# KiCad board 4servoboard-4x4.kicad_pcb (continued)
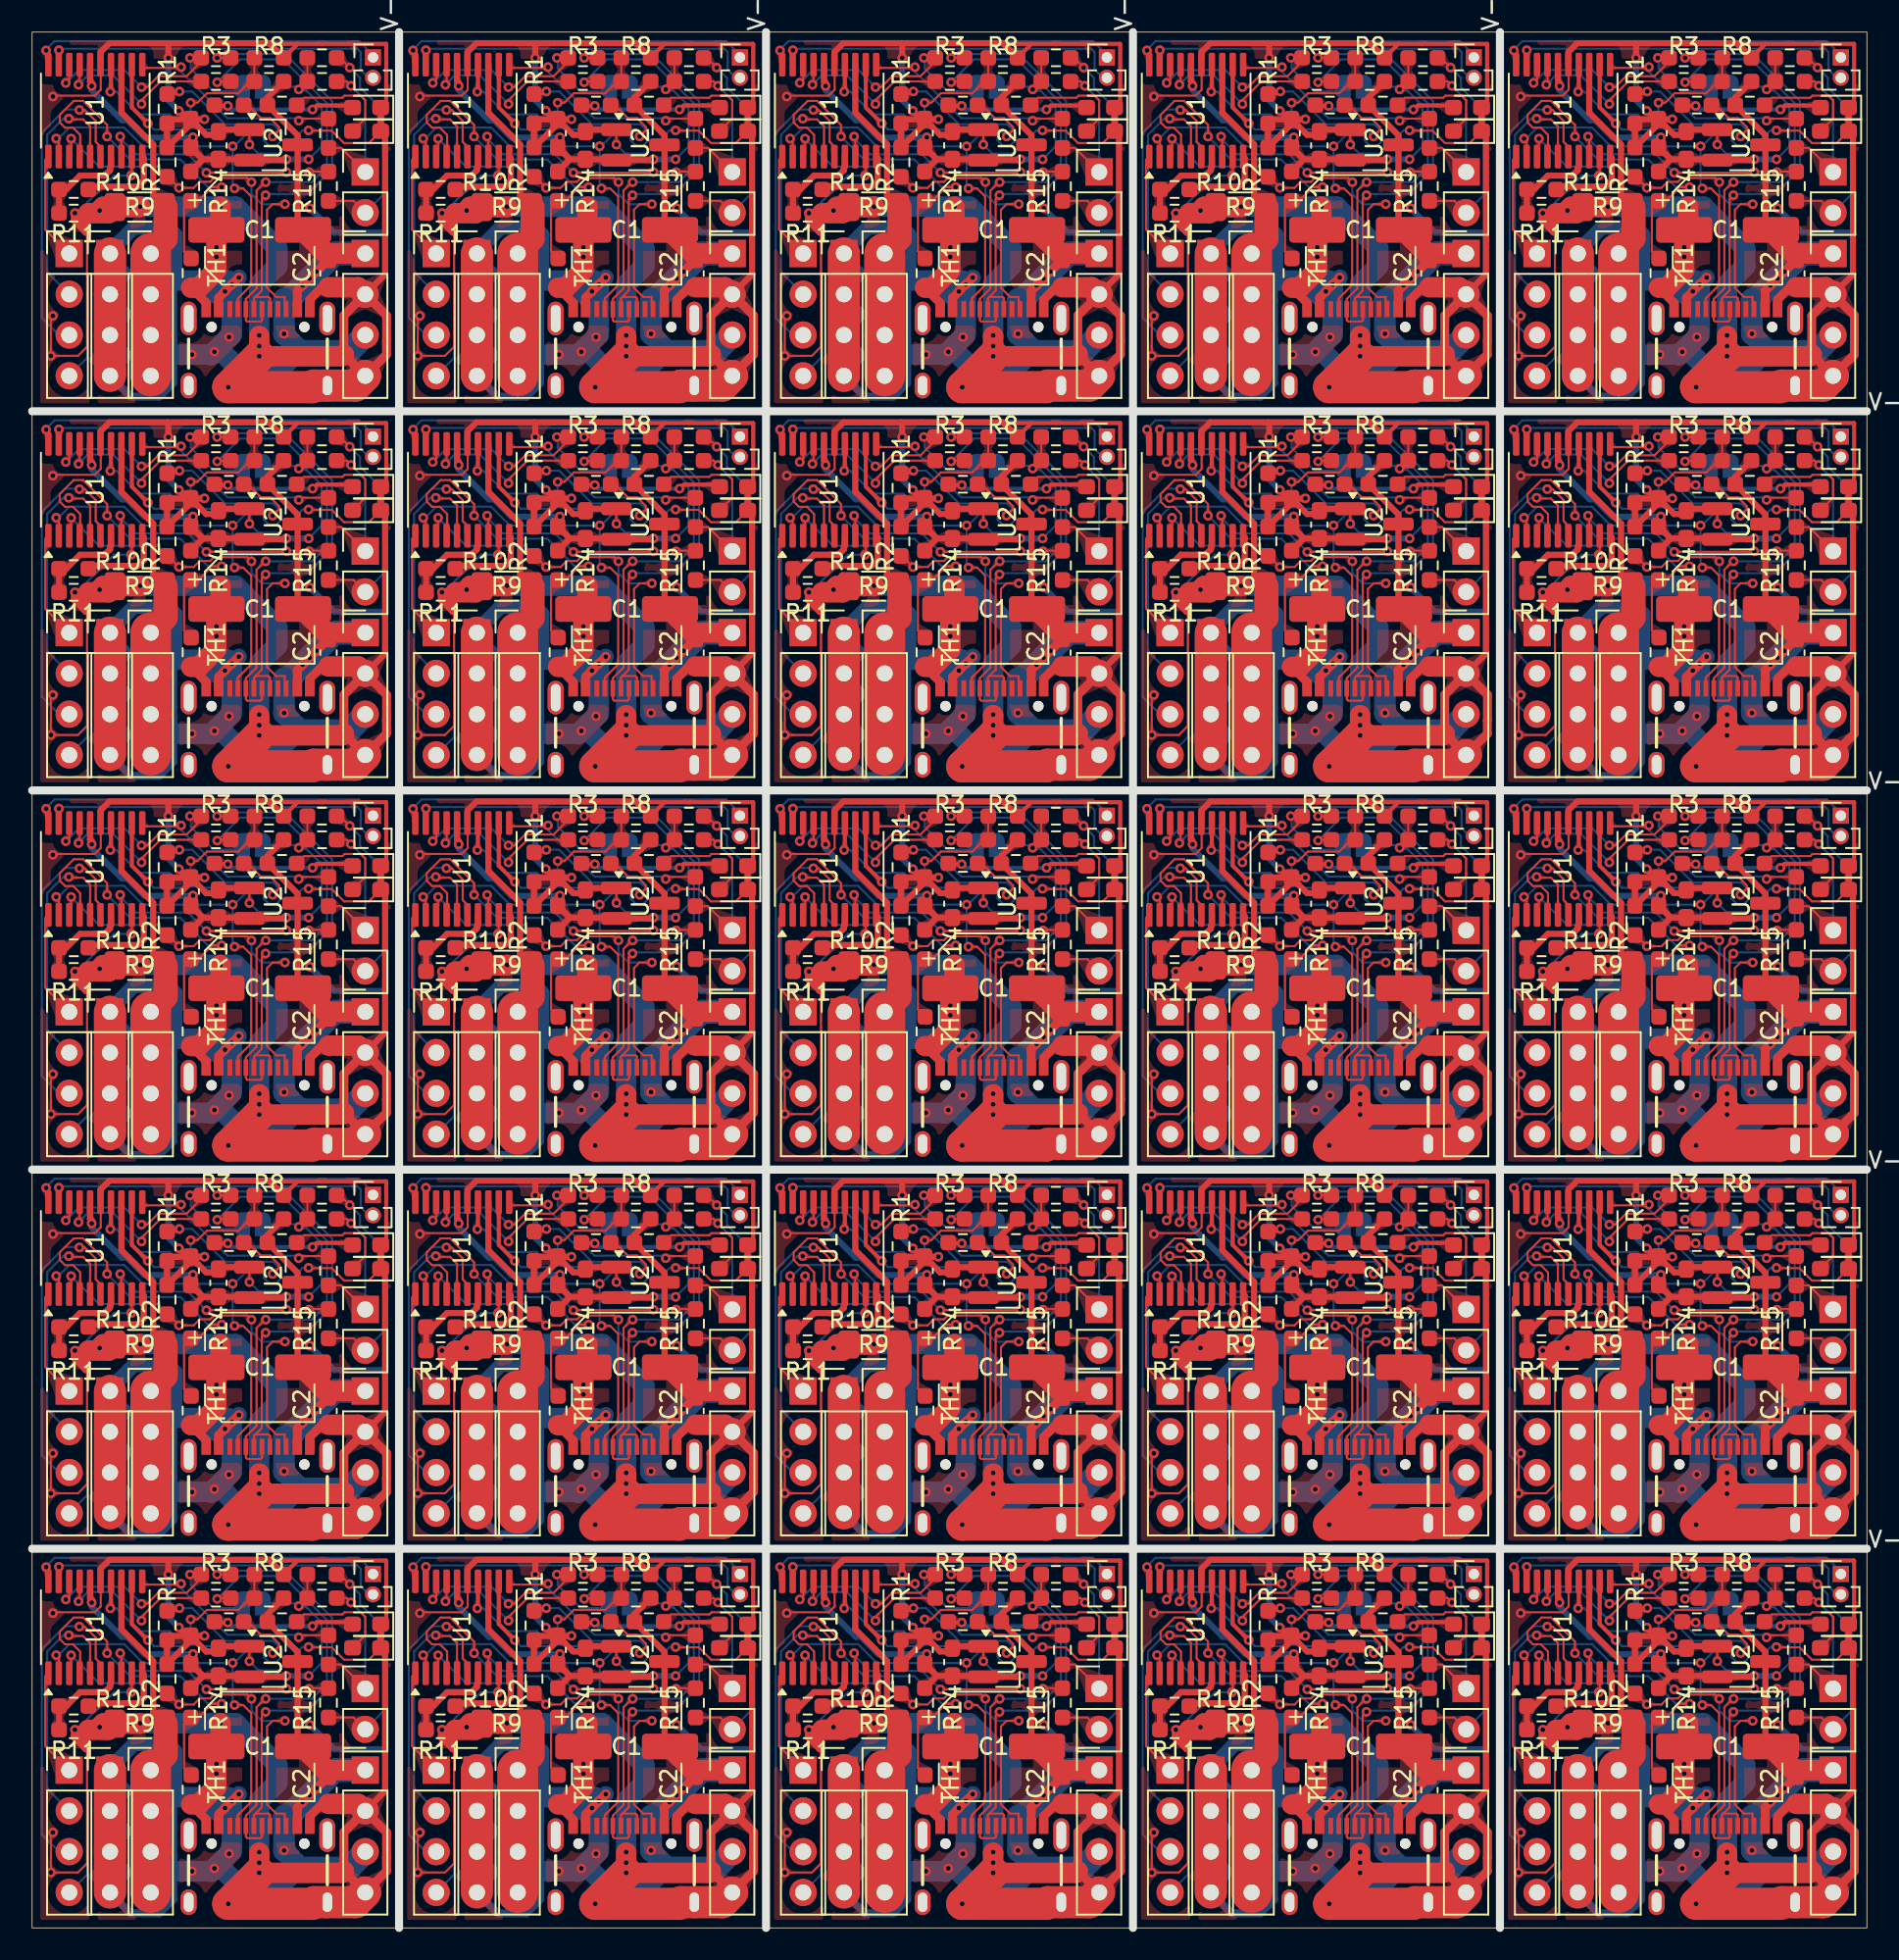
[diagram p0: board, top side]
## Routing (per net, layer and track width the routed paths; a pad name or vN(x,y) marks a point on that pad's centre or on a via; arc(x,y) is an arc through that point) (continued)
Net-(J1-D+-PadA6): length 685.3
  Top w0.127: 13.91,54.36 14.74,54.36 14.82,54.28 J1#19.B6 ; 13.91,54.36 13.82,54.28 J1#19.A6 ; 13.91,54.36 14.31,54.76 14.31,60.47 v1(14.54,60.71) ; 59.63,101.61 60.46,101.61 60.54,101.52 J1#11.B6 ; 59.63,101.61 60.03,102.01 60.03,107.71 v1(60.26,107.95) ; 59.63,101.61 59.54,101.52 J1#11.A6 ; R3#11.1 102.97,45.64 v1(102.97,45.64) ; R3#17.1 34.39,69.27 v1(34.39,69.26) ; 59.63,7.12 60.46,7.12 60.54,7.03 J1#15.B6 ; 59.63,7.12 59.54,7.03 J1#15.A6 ; 59.63,7.12 60.03,7.52 60.03,13.23 v1(60.26,13.46) ; J1#20.B6 60.54,30.66 60.46,30.74 59.63,30.74 ; v1(57.25,45.64) 57.25,45.64 R3#2.1 ; 36.77,101.61 36.68,101.52 J1#13.A6 ; 36.77,101.61 37.6,101.61 37.68,101.52 J1#13.B6 ; 36.77,101.61 37.17,102.01 37.17,107.71 v1(37.4,107.95) ; v1(34.39,92.88) 34.39,92.89 R3#9.1 ; 82.49,54.36 82.4,54.28 J1#3.A6 ; 82.49,54.36 82.89,54.76 82.89,60.47 v1(83.12,60.71) ; 82.49,54.36 83.32,54.36 83.4,54.28 J1#3.B6 ; 105.35,7.12 105.26,7.03 J1#21.A6 ; 105.35,7.12 106.18,7.12 106.26,7.03 J1#21.B6 ; 105.35,7.12 105.75,7.52 105.75,13.23 v1(105.98,13.46) ; R3#20.1 57.25,69.27 v1(57.25,69.26) ; J1#25.A6 105.26,101.52 105.35,101.61 ; 59.63,54.36 59.54,54.28 J1#22.A6 ; 59.63,54.36 60.46,54.36 60.54,54.28 J1#22.B6 ; 59.63,54.36 60.03,54.76 60.03,60.47 v1(60.26,60.71) ; J1#23.A6 105.26,77.9 105.35,77.99 ; 105.35,77.99 106.18,77.99 106.26,77.9 J1#23.B6 ; 105.35,77.99 105.75,78.39 105.75,84.09 v1(105.98,84.33) ; 36.77,7.12 37.17,7.52 37.17,13.23 v1(37.4,13.46) ; 36.77,7.12 37.6,7.12 37.68,7.03 J1#2.B6 ; 36.77,7.12 36.68,7.03 J1#2.A6 ; 13.91,101.61 14.31,102.01 14.31,107.71 v1(14.54,107.95) ; 13.91,101.61 13.82,101.52 J1#8.A6 ; 13.91,101.61 14.74,101.61 14.82,101.52 J1#8.B6 ; R3#7.1 102.97,92.89 v1(102.97,92.88) ; J1#16.B6 14.82,7.03 14.74,7.12 13.91,7.12 ; J1#25.B6 106.26,101.52 106.18,101.61 105.35,101.61 ; v1(80.11,116.51) 80.11,116.51 R3#24.1 ; 59.63,30.74 59.54,30.66 J1#20.A6 ; 59.63,30.74 60.03,31.14 60.03,36.85 v1(60.26,37.08) ; v1(102.97,116.51) 102.97,116.51 R3#14.1 ; J1#24.B6 60.54,77.9 60.46,77.99 59.63,77.99 ; 82.49,101.61 82.89,102.01 82.89,107.71 v1(83.12,107.95) ; 82.49,101.61 82.4,101.52 J1#6.A6 ; 82.49,101.61 83.32,101.61 83.4,101.52 J1#6.B6 ; J1#5.B6 83.4,30.66 83.32,30.74 82.49,30.74 ; 13.91,77.99 14.74,77.99 14.82,77.9 J1#17.B6 ; 13.91,77.99 14.31,78.39 14.31,84.09 v1(14.54,84.33) ; 13.91,77.99 13.82,77.9 J1#17.A6 ; v1(80.11,45.64) 80.11,45.64 R3.1 ; R3#15.1 34.39,45.64 v1(34.39,45.64) ; v1(105.98,37.08) 105.75,36.85 105.75,31.14 105.35,30.74 ; 36.77,30.74 36.68,30.66 J1#9.A6 ; 36.77,30.74 37.6,30.74 37.68,30.66 J1#9.B6 ; 36.77,30.74 37.17,31.14 37.17,36.85 v1(37.4,37.08) ; 105.35,101.61 105.75,102.01 105.75,107.71 v1(105.98,107.95) ; J1#10.B6 106.26,54.28 106.18,54.36 105.35,54.36 ; 13.91,30.74 14.74,30.74 14.82,30.66 J1#7.B6 ; 13.91,30.74 14.31,31.14 14.31,36.85 v1(14.54,37.08) ; 13.91,30.74 13.82,30.66 J1#7.A6 ; 105.35,54.36 105.26,54.28 J1#10.A6 ; 105.35,54.36 105.75,54.76 105.75,60.47 v1(105.98,60.71) ; J1#4.A6 82.4,77.9 82.49,77.99 ; R3#6.1 102.97,22.02 v1(102.97,22.02) ; v1(83.12,37.08) 82.89,36.85 82.89,31.14 82.49,30.74 ; R3#19.1 11.53,92.89 v1(11.53,92.88) ; J1.B6 83.4,7.03 83.32,7.12 82.49,7.12 ; v1(11.53,45.64) 11.53,45.64 R3#25.1 ; 105.35,30.74 105.26,30.66 J1#14.A6 ; 105.35,30.74 106.18,30.74 106.26,30.66 J1#14.B6 ; J1#12.B6 37.68,54.28 37.6,54.36 36.77,54.36 ; 82.49,30.74 82.4,30.66 J1#5.A6 ; J1.A6 82.4,7.03 82.49,7.12 ; J1#24.A6 59.54,77.9 59.63,77.99 ; v1(83.12,84.33) 82.89,84.09 82.89,78.39 82.49,77.99 ; 13.91,7.12 14.31,7.52 14.31,13.23 v1(14.54,13.46) ; 13.91,7.12 13.82,7.03 J1#16.A6 ; v1(11.53,116.51) 11.53,116.51 R3#22.1 ; 36.77,77.99 36.68,77.9 J1#18.A6 ; 36.77,77.99 37.6,77.99 37.68,77.9 J1#18.B6 ; 36.77,77.99 37.17,78.39 37.17,84.09 v1(37.4,84.33) ; 82.49,77.99 83.32,77.99 83.4,77.9 J1#4.B6 ; v1(37.4,60.71) 37.17,60.47 37.17,54.76 36.77,54.36 ; v1(80.11,92.88) 80.11,92.89 R3#12.1 ; v1(60.26,84.33) 60.03,84.09 60.03,78.39 59.63,77.99 ; R3#16.1 34.39,22.02 v1(34.39,22.02) ; 82.49,7.12 82.89,7.52 82.89,13.23 v1(83.12,13.46) ; R3#23.1 57.25,22.02 v1(57.25,22.02) ; R3#8.1 11.53,22.02 v1(11.53,22.02) ; R3#13.1 57.25,92.89 v1(57.25,92.88) ; v1(11.53,69.26) 11.53,69.27 R3#5.1 ; v1(57.25,116.51) 57.25,116.51 R3#4.1 ; R3#3.1 80.11,22.02 v1(80.11,22.02) ; v1(102.97,69.26) 102.97,69.27 R3#21.1 ; v1(34.39,116.51) 34.39,116.51 R3#10.1 ; 36.77,54.36 36.68,54.28 J1#12.A6 ; R3#18.1 80.11,69.27 v1(80.11,69.26)
  Bottom w0.127: v1(80.11,45.64) 80.34,45.87 84.34,45.87 87.27,42.94 87.27,38.7 85.73,37.16 83.19,37.16 v1(83.12,37.08) ; v1(11.53,22.02) 11.76,22.25 15.76,22.25 18.69,19.32 18.69,15.08 17.15,13.53 14.61,13.53 v1(14.54,13.46) ; v1(34.39,92.88) 34.62,93.12 38.62,93.12 41.55,90.19 41.55,85.94 40.01,84.4 37.47,84.4 v1(37.4,84.33) ; v1(60.26,84.33) 60.33,84.4 62.87,84.4 64.41,85.94 64.41,90.19 61.48,93.12 57.48,93.12 v1(57.25,92.88) ; v1(14.54,84.33) 14.61,84.4 17.15,84.4 18.69,85.94 18.69,90.19 15.76,93.12 11.76,93.12 v1(11.53,92.88) ; v1(83.12,84.33) 83.19,84.4 85.73,84.4 87.27,85.94 87.27,90.19 84.34,93.12 80.34,93.12 v1(80.11,92.88) ; v1(83.12,107.95) 83.19,108.02 85.73,108.02 87.27,109.57 87.27,113.81 84.34,116.74 80.34,116.74 v1(80.11,116.51) ; v1(102.97,92.88) 103.2,93.12 107.2,93.12 110.13,90.19 110.13,85.94 108.59,84.4 106.05,84.4 v1(105.98,84.33) ; v1(11.53,69.26) 11.76,69.5 15.76,69.5 18.69,66.57 18.69,62.32 17.15,60.78 14.61,60.78 v1(14.54,60.71) ; v1(37.4,107.95) 37.47,108.02 40.01,108.02 41.55,109.57 41.55,113.81 38.62,116.74 34.62,116.74 v1(34.39,116.51) ; v1(83.12,13.46) 83.19,13.53 85.73,13.53 87.27,15.08 87.27,19.32 84.34,22.25 80.34,22.25 v1(80.11,22.02) ; v1(102.97,116.51) 103.2,116.74 107.2,116.74 110.13,113.81 110.13,109.57 108.59,108.02 106.05,108.02 v1(105.98,107.95) ; v1(57.25,22.02) 57.48,22.25 61.48,22.25 64.41,19.32 64.41,15.08 62.87,13.53 60.33,13.53 v1(60.26,13.46) ; v1(14.54,37.08) 14.61,37.16 17.15,37.16 18.69,38.7 18.69,42.94 15.76,45.87 11.76,45.87 v1(11.53,45.64) ; v1(105.98,13.46) 106.05,13.53 108.59,13.53 110.13,15.08 110.13,19.32 107.2,22.25 103.2,22.25 v1(102.97,22.02) ; v1(105.98,37.08) 106.05,37.16 108.59,37.16 110.13,38.7 110.13,42.94 107.2,45.87 103.2,45.87 v1(102.97,45.64) ; v1(37.4,60.71) 37.47,60.78 40.01,60.78 41.55,62.32 41.55,66.57 38.62,69.5 34.62,69.5 v1(34.39,69.26) ; v1(60.26,107.95) 60.33,108.02 62.87,108.02 64.41,109.57 64.41,113.81 61.48,116.74 57.48,116.74 v1(57.25,116.51) ; v1(60.26,37.08) 60.33,37.16 62.87,37.16 64.41,38.7 64.41,42.94 61.48,45.87 57.48,45.87 v1(57.25,45.64) ; v1(11.53,116.51) 11.76,116.74 15.76,116.74 18.69,113.81 18.69,109.57 17.15,108.02 14.61,108.02 v1(14.54,107.95) ; v1(80.11,69.26) 80.34,69.5 84.34,69.5 87.27,66.57 87.27,62.32 85.73,60.78 83.19,60.78 v1(83.12,60.71) ; v1(34.39,45.64) 34.62,45.87 38.62,45.87 41.55,42.94 41.55,38.7 40.01,37.16 37.47,37.16 v1(37.4,37.08) ; v1(57.25,69.26) 57.48,69.5 61.48,69.5 64.41,66.57 64.41,62.32 62.87,60.78 60.33,60.78 v1(60.26,60.71) ; v1(102.97,69.26) 103.2,69.5 107.2,69.5 110.13,66.57 110.13,62.32 108.59,60.78 106.05,60.78 v1(105.98,60.71) ; v1(34.39,22.02) 34.62,22.25 38.62,22.25 41.55,19.32 41.55,15.08 40.01,13.53 37.47,13.53 v1(37.4,13.46)
Net-(J1-D--PadA7): length 711.8
  Top w0.127: v1(57.25,91.36) 57.3,91.41 R4#15.1 ; v1(102.97,114.99) 103.02,115.04 R4#6.1 ; J1.A7 82.9,5.68 82.82,5.59 81.99,5.59 81.9,5.68 J1.B7 81.9,7 82.56,7.66 82.56,13.75 83.08,14.27 v1(83.13,14.27) ; v1(60.27,61.52) 60.22,61.52 59.7,60.99 59.7,54.9 59.04,54.24 J1#22.B7 59.04,52.92 59.13,52.84 59.96,52.84 60.04,52.92 J1#22.A7 ; v1(80.11,44.12) 80.16,44.17 R4#25.1 ; J1#16.A7 14.32,5.68 14.24,5.59 13.41,5.59 13.32,5.68 J1#16.B7 13.32,7 13.98,7.66 13.98,13.75 14.5,14.27 v1(14.55,14.27) ; v1(37.41,108.76) 37.36,108.76 36.84,108.24 36.84,102.14 36.18,101.49 J1#13.B7 36.18,100.16 36.27,100.08 37.1,100.08 37.18,100.16 J1#13.A7 ; R4#14.1 34.44,20.55 v1(34.39,20.5) ; J1#14.A7 105.76,29.3 105.68,29.21 104.85,29.21 104.76,29.3 J1#14.B7 104.76,30.62 105.42,31.28 105.42,37.37 105.94,37.9 v1(105.99,37.9) ; v1(57.25,114.99) 57.3,115.04 R4#2.1 ; J1#12.A7 37.18,52.92 37.1,52.84 36.27,52.84 36.18,52.92 J1#12.B7 36.18,54.24 36.84,54.9 36.84,60.99 37.36,61.52 v1(37.41,61.52) ; v1(37.41,14.27) 37.36,14.27 36.84,13.75 36.84,7.66 36.18,7 J1#2.B7 36.18,5.68 36.27,5.59 37.1,5.59 37.18,5.68 J1#2.A7 ; J1#9.A7 37.18,29.3 37.1,29.21 36.27,29.21 36.18,29.3 J1#9.B7 36.18,30.62 36.84,31.28 36.84,37.37 37.36,37.9 v1(37.41,37.9) ; v1(105.99,14.27) 105.94,14.27 105.42,13.75 105.42,7.66 104.76,7 J1#21.B7 104.76,5.68 104.85,5.59 105.68,5.59 105.76,5.68 J1#21.A7 ; J1#19.A7 14.32,52.92 14.24,52.84 13.41,52.84 13.32,52.92 J1#19.B7 13.32,54.24 13.98,54.9 13.98,60.99 14.5,61.52 v1(14.55,61.52) ; v1(11.53,67.74) 11.58,67.79 R4#3.1 ; v1(14.55,37.9) 14.5,37.9 13.98,37.37 13.98,31.28 13.32,30.62 J1#7.B7 13.32,29.3 13.41,29.21 14.24,29.21 14.32,29.3 J1#7.A7 ; R4#21.1 57.3,44.17 v1(57.25,44.12) ; J1#24.A7 60.04,76.54 59.96,76.46 59.13,76.46 59.04,76.54 J1#24.B7 59.04,77.86 59.7,78.52 59.7,84.62 60.22,85.14 v1(60.27,85.14) ; v1(80.11,20.5) 80.16,20.55 R4#24.1 ; v1(34.39,44.12) 34.44,44.17 R4#5.1 ; v1(83.13,108.76) 83.08,108.76 82.56,108.24 82.56,102.14 81.9,101.49 J1#6.B7 81.9,100.16 81.99,100.08 82.82,100.08 82.9,100.16 J1#6.A7 ; v1(37.41,85.14) 37.36,85.14 36.84,84.62 36.84,78.52 36.18,77.86 J1#18.B7 36.18,76.54 36.27,76.46 37.1,76.46 37.18,76.54 J1#18.A7 ; v1(60.27,37.9) 60.22,37.9 59.7,37.37 59.7,31.28 59.04,30.62 J1#20.B7 59.04,29.3 59.13,29.21 59.96,29.21 60.04,29.3 J1#20.A7 ; R4#16.1 57.3,20.55 v1(57.25,20.5) ; v1(57.25,67.74) 57.3,67.79 R4#11.1 ; R4#23.1 34.44,91.41 v1(34.39,91.36) ; v1(11.53,114.99) 11.58,115.04 R4#18.1 ; J1#17.A7 14.32,76.54 14.24,76.46 13.41,76.46 13.32,76.54 J1#17.B7 13.32,77.86 13.98,78.52 13.98,84.62 14.5,85.14 v1(14.55,85.14) ; v1(102.97,67.74) 103.02,67.79 R4#17.1 ; v1(102.97,44.12) 103.02,44.17 R4#19.1 ; J1#11.A7 60.04,100.16 59.96,100.08 59.13,100.08 59.04,100.16 J1#11.B7 59.04,101.49 59.7,102.14 59.7,108.24 60.22,108.76 v1(60.27,108.76) ; J1#4.A7 82.9,76.54 82.82,76.46 81.99,76.46 81.9,76.54 J1#4.B7 81.9,77.86 82.56,78.52 82.56,84.62 83.08,85.14 v1(83.13,85.14) ; R4#9.1 11.58,44.17 v1(11.53,44.12) ; J1#3.A7 82.9,52.92 82.82,52.84 81.99,52.84 81.9,52.92 J1#3.B7 81.9,54.24 82.56,54.9 82.56,60.99 83.08,61.52 v1(83.13,61.52) ; J1#15.A7 60.04,5.68 59.96,5.59 59.13,5.59 59.04,5.68 J1#15.B7 59.04,7 59.7,7.66 59.7,13.75 60.22,14.27 v1(60.27,14.27) ; J1#5.A7 82.9,29.3 82.82,29.21 81.99,29.21 81.9,29.3 J1#5.B7 81.9,30.62 82.56,31.28 82.56,37.37 83.08,37.9 v1(83.13,37.9) ; J1#8.A7 14.32,100.16 14.24,100.08 13.41,100.08 13.32,100.16 J1#8.B7 13.32,101.49 13.98,102.14 13.98,108.24 14.5,108.76 v1(14.55,108.76) ; R4#13.1 34.44,67.79 v1(34.39,67.74) ; v1(34.39,114.99) 34.44,115.04 R4.1 ; v1(105.99,85.14) 105.94,85.14 105.42,84.62 105.42,78.52 104.76,77.86 J1#23.B7 104.76,76.54 104.85,76.46 105.68,76.46 105.76,76.54 J1#23.A7 ; v1(11.53,20.5) 11.58,20.55 R4#12.1 ; v1(80.11,114.99) 80.16,115.04 R4#22.1 ; R4#10.1 103.02,20.55 v1(102.97,20.5) ; R4#8.1 103.02,91.41 v1(102.97,91.36) ; R4#4.1 80.16,91.41 v1(80.11,91.36) ; J1#25.A7 105.76,100.16 105.68,100.08 104.85,100.08 104.76,100.16 J1#25.B7 104.76,101.49 105.42,102.14 105.42,108.24 105.94,108.76 v1(105.99,108.76) ; R4#7.1 80.16,67.79 v1(80.11,67.74) ; R4#20.1 11.58,91.41 v1(11.53,91.36) ; v1(105.99,61.52) 105.94,61.52 105.42,60.99 105.42,54.9 104.76,54.24 J1#10.B7 104.76,52.92 104.85,52.84 105.68,52.84 105.76,52.92 J1#10.A7
  Bottom w0.127: v1(102.97,44.12) 104.4,45.55 107.07,45.55 109.8,42.81 109.8,38.84 108.87,37.9 v1(105.99,37.9) ; v1(83.13,37.9) 86.01,37.9 86.94,38.84 86.94,42.81 84.21,45.55 81.54,45.55 v1(80.11,44.12) ; v1(80.11,20.5) 81.54,21.92 84.21,21.92 86.94,19.19 86.94,15.21 86.01,14.27 v1(83.13,14.27) ; v1(102.97,20.5) 104.4,21.92 107.07,21.92 109.8,19.19 109.8,15.21 108.87,14.27 v1(105.99,14.27) ; v1(11.53,114.99) 12.96,116.41 15.63,116.41 18.36,113.67 18.36,109.7 17.43,108.76 v1(14.55,108.76) ; v1(102.97,114.99) 104.4,116.41 107.07,116.41 109.8,113.67 109.8,109.7 108.87,108.76 v1(105.99,108.76) ; v1(57.25,114.99) 58.68,116.41 61.35,116.41 64.08,113.67 64.08,109.7 63.15,108.76 v1(60.27,108.76) ; v1(37.41,37.9) 40.29,37.9 41.22,38.84 41.22,42.81 38.49,45.55 35.82,45.55 v1(34.39,44.12) ; v1(57.25,67.74) 58.68,69.17 61.35,69.17 64.08,66.43 64.08,62.46 63.15,61.52 v1(60.27,61.52) ; v1(37.41,85.14) 40.29,85.14 41.22,86.08 41.22,90.05 38.49,92.79 35.82,92.79 v1(34.39,91.36) ; v1(57.25,20.5) 58.68,21.92 61.35,21.92 64.08,19.19 64.08,15.21 63.15,14.27 v1(60.27,14.27) ; v1(60.27,37.9) 63.15,37.9 64.08,38.84 64.08,42.81 61.35,45.55 58.68,45.55 v1(57.25,44.12) ; v1(83.13,85.14) 86.01,85.14 86.94,86.08 86.94,90.05 84.21,92.79 81.54,92.79 v1(80.11,91.36) ; v1(102.97,67.74) 104.4,69.17 107.07,69.17 109.8,66.43 109.8,62.46 108.87,61.52 v1(105.99,61.52) ; v1(34.39,67.74) 35.82,69.17 38.49,69.17 41.22,66.43 41.22,62.46 40.29,61.52 v1(37.41,61.52) ; v1(11.53,67.74) 12.96,69.17 15.63,69.17 18.36,66.43 18.36,62.46 17.43,61.52 v1(14.55,61.52) ; v1(37.41,108.76) 40.29,108.76 41.22,109.7 41.22,113.67 38.49,116.41 35.82,116.41 v1(34.39,114.99) ; v1(34.39,20.5) 35.82,21.92 38.49,21.92 41.22,19.19 41.22,15.21 40.29,14.27 v1(37.41,14.27) ; v1(80.11,114.99) 81.54,116.41 84.21,116.41 86.94,113.67 86.94,109.7 86.01,108.76 v1(83.13,108.76) ; v1(57.25,91.36) 58.68,92.79 61.35,92.79 64.08,90.05 64.08,86.08 63.15,85.14 v1(60.27,85.14) ; v1(11.53,44.12) 12.96,45.55 15.63,45.55 18.36,42.81 18.36,38.84 17.43,37.9 v1(14.55,37.9) ; v1(14.55,14.27) 17.43,14.27 18.36,15.21 18.36,19.19 15.63,21.92 12.96,21.92 v1(11.53,20.5) ; v1(11.53,91.36) 12.96,92.79 15.63,92.79 18.36,90.05 18.36,86.08 17.43,85.14 v1(14.55,85.14) ; v1(105.99,85.14) 108.87,85.14 109.8,86.08 109.8,90.05 107.07,92.79 104.4,92.79 v1(102.97,91.36) ; v1(83.13,61.52) 86.01,61.52 86.94,62.46 86.94,66.43 84.21,69.17 81.54,69.17 v1(80.11,67.74)
Net-(J3-Pin_1): length 253.8
  Top w0.127: 43.61,62.66 J3#14.1 42.11,63.65 R16#12.1 ; 43.61,39.04 J3#23.1 42.11,40.03 R16#9.1 ; 112.19,109.91 J3#2.1 110.69,110.9 R16#24.1 ; R12#4.2 88.17,44.17 v1(88.44,43.9) ; v1(88.44,114.76) 88.17,115.04 R12#11.2 ; R16#25.1 64.97,40.03 J3#10.1 66.47,39.04 ; 89.33,86.29 J3#5.1 87.83,87.27 R16.1 ; v1(42.72,91.14) 42.45,91.41 R12#3.2 ; v1(65.58,67.52) 65.31,67.79 R12#20.2 ; 112.19,15.42 J3#24.1 110.69,16.41 R16#7.1 ; R16#19.1 64.97,16.41 J3#21.1 66.47,15.42 ; v1(42.72,67.52) 42.45,67.79 R12#10.2 ; R12#12.2 88.17,91.41 v1(88.44,91.14) ; v1(111.3,20.27) 111.03,20.55 R12#17.2 ; R16#23.1 42.11,87.27 J3#11.1 43.61,86.29 ; R12#22.2 88.17,67.79 v1(88.44,67.52) ; R16#10.1 42.11,110.9 J3.1 43.61,109.91 ; R12#8.2 42.45,115.04 v1(42.72,114.76) ; R12.2 42.45,44.17 v1(42.72,43.9) ; R16#8.1 19.25,110.9 J3#3.1 20.75,109.91 ; R16#2.1 87.83,110.9 J3#20.1 89.33,109.91 ; v1(65.58,91.14) 65.31,91.41 R12#25.2 ; R16#4.1 19.25,40.03 J3#4.1 20.75,39.04 ; R16#5.1 19.25,63.65 J3#22.1 20.75,62.66 ; 89.33,62.66 J3#15.1 87.83,63.65 R16#20.1 ; R12#23.2 88.17,20.55 v1(88.44,20.27) ; v1(65.58,114.76) 65.31,115.04 R12#21.2 ; 43.61,15.42 J3#19.1 42.11,16.41 R16#18.1 ; 20.75,15.42 J3#9.1 19.25,16.41 R16#6.1 ; v1(65.58,20.27) 65.31,20.55 R12#15.2 ; 112.19,86.29 J3#12.1 110.69,87.27 R16#16.1 ; v1(19.86,91.14) 19.59,91.41 R12#19.2 ; R12#24.2 19.59,67.79 v1(19.86,67.52) ; R16#11.1 19.25,87.27 J3#18.1 20.75,86.29 ; v1(19.86,114.76) 19.59,115.04 R12#6.2 ; v1(111.3,67.52) 111.03,67.79 R12#13.2 ; R12#2.2 65.31,44.17 v1(65.58,43.9) ; R12#9.2 111.03,44.17 v1(111.3,43.9) ; 89.33,15.42 J3#6.1 87.83,16.41 R16#3.1 ; R12#18.2 111.03,115.04 v1(111.3,114.76) ; R16#21.1 64.97,87.27 J3#13.1 66.47,86.29 ; R12#7.2 19.59,20.55 v1(19.86,20.27) ; R16#13.1 110.69,40.03 J3#25.1 112.19,39.04 ; R12#5.2 111.03,91.41 v1(111.3,91.14) ; v1(19.86,43.9) 19.59,44.17 R12#14.2 ; R16#15.1 64.97,63.65 J3#8.1 66.47,62.66 ; R12#16.2 42.45,20.55 v1(42.72,20.27) ; 66.47,109.91 J3#7.1 64.97,110.9 R16#14.1 ; 112.19,62.66 J3#16.1 110.69,63.65 R16#22.1 ; R16#17.1 87.83,40.03 J3#17.1 89.33,39.04
  Bottom w0.127: J3#10.1 66.47,43.01 v1(65.58,43.9) ; J3#3.1 20.75,113.87 v1(19.86,114.76) ; v1(42.72,20.27) 43.61,19.38 J3#19.1 ; J3#5.1 89.33,90.25 v1(88.44,91.14) ; J3#4.1 20.75,43.01 v1(19.86,43.9) ; J3#22.1 20.75,66.63 v1(19.86,67.52) ; J3#8.1 66.47,66.63 v1(65.58,67.52) ; J3#12.1 112.19,90.25 v1(111.3,91.14) ; v1(65.58,20.27) 66.47,19.38 J3#21.1 ; v1(19.86,91.14) 20.75,90.25 J3#18.1 ; J3#2.1 112.19,113.87 v1(111.3,114.76) ; J3#13.1 66.47,90.25 v1(65.58,91.14) ; J3#24.1 112.19,19.38 v1(111.3,20.27) ; J3#6.1 89.33,19.38 v1(88.44,20.27) ; J3#9.1 20.75,19.38 v1(19.86,20.27) ; v1(42.72,67.52) 43.61,66.63 J3#14.1 ; v1(42.72,91.14) 43.61,90.25 J3#11.1 ; J3#20.1 89.33,113.87 v1(88.44,114.76) ; J3#15.1 89.33,66.63 v1(88.44,67.52) ; J3#25.1 112.19,43.01 v1(111.3,43.9) ; v1(42.72,114.76) 43.61,113.87 J3.1 ; J3#23.1 43.61,43.01 v1(42.72,43.9) ; J3#7.1 66.47,113.87 v1(65.58,114.76) ; v1(111.3,67.52) 112.19,66.63 J3#16.1 ; J3#17.1 89.33,43.01 v1(88.44,43.9)
Net-(J3-Pin_2): length 350.7
  Top w0.127: R13#22.2 19.18,116.51 v1(19.79,115.9) ; R15#19.1 20.01,60.35 J3#22.2 ; R13#3.2 87.76,92.89 v1(88.37,92.28) ; v1(42.65,68.66) 42.04,69.27 R13#5.2 ; v1(19.79,21.41) 19.18,22.02 R13#7.2 ; v1(111.23,45.03) 110.62,45.64 R13#4.2 ; J3#5.2 88.59,83.98 R15#4.1 ; R15#23.1 20.01,107.6 J3#3.2 ; R13#21.2 42.04,22.02 v1(42.65,21.41) ; R13#16.2 64.9,69.27 v1(65.51,68.66) ; v1(111.23,115.9) 110.62,116.51 R13#12.2 ; R15#2.1 88.59,36.73 J3#17.2 ; R13#8.2 110.62,92.89 v1(111.23,92.28) ; R15#12.1 42.87,107.6 J3.2 ; v1(111.23,21.41) 110.62,22.02 R13.2 ; R13#13.2 64.9,116.51 v1(65.51,115.9) ; R15#25.1 111.45,36.73 J3#25.2 ; v1(42.65,45.03) 42.04,45.64 R13#9.2 ; J3#14.2 42.87,60.35 R15#14.1 ; R15#21.1 88.59,13.11 J3#6.2 ; R15#22.1 20.01,13.11 J3#9.2 ; R15#5.1 65.73,36.73 J3#10.2 ; v1(19.79,45.03) 19.18,45.64 R13#25.2 ; R13#23.2 64.9,22.02 v1(65.51,21.41) ; J3#8.2 65.73,60.35 R15#10.1 ; R15#20.1 65.73,107.6 J3#7.2 ; J3#20.2 88.59,107.6 R15.1 ; J3#23.2 42.87,36.73 R15#6.1 ; R15#16.1 111.45,13.11 J3#24.2 ; R13#20.2 87.76,69.27 v1(88.37,68.66) ; R13#24.2 19.18,69.27 v1(19.79,68.66) ; J3#19.2 42.87,13.11 R15#15.1 ; v1(65.51,92.28) 64.9,92.89 R13#2.2 ; R15#11.1 65.73,13.11 J3#21.2 ; R13#6.2 87.76,45.64 v1(88.37,45.03) ; R13#15.2 110.62,69.27 v1(111.23,68.66) ; R15#18.1 65.73,83.98 J3#13.2 ; R13#18.2 64.9,45.64 v1(65.51,45.03) ; R13#10.2 87.76,22.02 v1(88.37,21.41) ; J3#4.2 20.01,36.73 R15#8.1 ; R13#14.2 19.18,92.89 v1(19.79,92.28) ; R15#17.1 20.01,83.98 J3#18.2 ; v1(42.65,115.9) 42.04,116.51 R13#11.2 ; J3#12.2 111.45,83.98 R15#24.1 ; R15#3.1 111.45,60.35 J3#16.2 ; J3#11.2 42.87,83.98 R15#9.1 ; R15#7.1 88.59,60.35 J3#15.2 ; R13#17.2 42.04,92.89 v1(42.65,92.28) ; v1(88.37,115.9) 87.76,116.51 R13#19.2 ; J3#2.2 111.45,107.6 R15#13.1
  Bottom w0.127: v1(65.51,68.66) 66.15,68.02 66.15,67.42 67.59,65.98 67.59,60.73 J3#8.2 ; v1(111.23,45.03) 111.87,44.39 111.87,43.8 113.31,42.36 113.31,37.11 J3#25.2 ; v1(88.37,68.66) 89.01,68.02 89.01,67.42 90.45,65.98 90.45,60.73 J3#15.2 ; J3#14.2 44.73,60.73 44.73,65.98 43.29,67.42 43.29,68.02 v1(42.65,68.66) ; v1(111.23,92.28) 111.87,91.64 111.87,91.04 113.31,89.6 113.31,84.35 J3#12.2 ; J3#7.2 67.59,107.97 67.59,113.22 66.15,114.66 66.15,115.26 v1(65.51,115.9) ; v1(42.65,45.03) 43.29,44.39 43.29,43.8 44.73,42.36 44.73,37.11 J3#23.2 ; J3#6.2 90.45,13.48 90.45,18.73 89.01,20.17 89.01,20.77 v1(88.37,21.41) ; v1(19.79,115.9) 20.43,115.26 20.43,114.66 21.87,113.22 21.87,107.97 J3#3.2 ; v1(65.51,45.03) 66.15,44.39 66.15,43.8 67.59,42.36 67.59,37.11 J3#10.2 ; v1(42.65,21.41) 43.29,20.77 43.29,20.17 44.73,18.73 44.73,13.48 J3#19.2 ; J3#4.2 21.87,37.11 21.87,42.36 20.43,43.8 20.43,44.39 v1(19.79,45.03) ; v1(88.37,92.28) 89.01,91.64 89.01,91.04 90.45,89.6 90.45,84.35 J3#5.2 ; J3#18.2 21.87,84.35 21.87,89.6 20.43,91.04 20.43,91.64 v1(19.79,92.28) ; v1(65.51,21.41) 66.15,20.77 66.15,20.17 67.59,18.73 67.59,13.48 J3#21.2 ; v1(42.65,115.9) 43.29,115.26 43.29,114.66 44.73,113.22 44.73,107.97 J3.2 ; v1(65.51,92.28) 66.15,91.64 66.15,91.04 67.59,89.6 67.59,84.35 J3#13.2 ; v1(111.23,68.66) 111.87,68.02 111.87,67.42 113.31,65.98 113.31,60.73 J3#16.2 ; v1(19.79,21.41) 20.43,20.77 20.43,20.17 21.87,18.73 21.87,13.48 J3#9.2 ; J3#22.2 21.87,60.73 21.87,65.98 20.43,67.42 20.43,68.02 v1(19.79,68.66) ; J3#24.2 113.31,13.48 113.31,18.73 111.87,20.17 111.87,20.77 v1(111.23,21.41) ; J3#17.2 90.45,37.11 90.45,42.36 89.01,43.8 89.01,44.39 v1(88.37,45.03) ; J3#20.2 90.45,107.97 90.45,113.22 89.01,114.66 89.01,115.26 v1(88.37,115.9) ; J3#11.2 44.73,84.35 44.73,89.6 43.29,91.04 43.29,91.64 v1(42.65,92.28) ; v1(111.23,115.9) 111.87,115.26 111.87,114.66 113.31,113.22 113.31,107.97 J3#2.2

## Copper pours and planes (outline as drawn; the poured copper is in the pictures)
GND on Top: 3.58,94.49 0,94.49 0,118.11 22.86,118.11 22.89,110.67 20.75,110.78 20.84,114.14 16.41,114.3 14.76,115.77 13.92,113.56 14.71,102.13 9.91,101.45 9.17,101.43 9.16,106.08 3.47,105.7
GND on Top: 95.02,70.87 91.44,70.87 91.44,94.49 114.3,94.49 114.33,87.05 112.19,87.16 112.28,90.52 107.85,90.68 106.2,92.14 105.36,89.94 106.15,78.51 101.35,77.82 100.61,77.81 100.59,82.46 94.91,82.08
GND on Top: 49.3,47.24 45.72,47.24 45.72,70.87 68.58,70.87 68.61,63.42 66.47,63.53 66.56,66.9 62.13,67.06 60.48,68.52 59.64,66.32 60.43,54.89 55.63,54.2 54.89,54.19 54.88,58.84 49.19,58.45
GND on Top: 26.44,23.62 22.86,23.62 22.86,47.24 45.72,47.24 45.75,39.8 43.61,39.91 43.7,43.28 39.27,43.43 37.62,44.9 36.78,42.7 37.57,31.27 32.77,30.58 32.03,30.57 32.02,35.22 26.33,34.83
GND on Top: 26.44,70.87 22.86,70.87 22.86,94.49 45.72,94.49 45.75,87.05 43.61,87.16 43.7,90.52 39.27,90.68 37.62,92.14 36.78,89.94 37.57,78.51 32.77,77.82 32.03,77.81 32.02,82.46 26.33,82.08
GND on Top: 72.16,23.62 68.58,23.62 68.58,47.24 91.44,47.24 91.47,39.8 89.33,39.91 89.42,43.28 84.99,43.43 83.34,44.9 82.5,42.7 83.29,31.27 78.49,30.58 77.75,30.57 77.74,35.22 72.05,34.83
GND on Top: 3.58,47.24 0,47.24 0,70.87 22.86,70.87 22.89,63.42 20.75,63.53 20.84,66.9 16.41,67.06 14.76,68.52 13.92,66.32 14.71,54.89 9.91,54.2 9.17,54.19 9.16,58.84 3.47,58.45
GND on Top: 49.3,0 45.72,0 45.72,23.62 68.58,23.62 68.61,16.18 66.47,16.29 66.56,19.65 62.13,19.81 60.48,21.28 59.64,19.08 60.43,7.65 55.63,6.96 54.89,6.95 54.88,11.6 49.19,11.21
GND on Top: 26.44,0 22.86,0 22.86,23.62 45.72,23.62 45.75,16.18 43.61,16.29 43.7,19.65 39.27,19.81 37.62,21.28 36.78,19.08 37.57,7.65 32.77,6.96 32.03,6.95 32.02,11.6 26.33,11.21
GND on Top: 49.3,70.87 45.72,70.87 45.72,94.49 68.58,94.49 68.61,87.05 66.47,87.16 66.56,90.52 62.13,90.68 60.48,92.14 59.64,89.94 60.43,78.51 55.63,77.82 54.89,77.81 54.88,82.46 49.19,82.08
GND on Top: 72.16,0 68.58,0 68.58,23.62 91.44,23.62 91.47,16.18 89.33,16.29 89.42,19.65 84.99,19.81 83.34,21.28 82.5,19.08 83.29,7.65 78.49,6.96 77.75,6.95 77.74,11.6 72.05,11.21
GND on Top: 26.44,94.49 22.86,94.49 22.86,118.11 45.72,118.11 45.75,110.67 43.61,110.78 43.7,114.14 39.27,114.3 37.62,115.77 36.78,113.56 37.57,102.13 32.77,101.45 32.03,101.43 32.02,106.08 26.33,105.7
GND on Top: 95.02,47.24 91.44,47.24 91.44,70.87 114.3,70.87 114.33,63.42 112.19,63.53 112.28,66.9 107.85,67.06 106.2,68.52 105.36,66.32 106.15,54.89 101.35,54.2 100.61,54.19 100.59,58.84 94.91,58.45
GND on Top: 95.02,23.62 91.44,23.62 91.44,47.24 114.3,47.24 114.33,39.8 112.19,39.91 112.28,43.28 107.85,43.43 106.2,44.9 105.36,42.7 106.15,31.27 101.35,30.58 100.61,30.57 100.59,35.22 94.91,34.83
GND on Top: 49.3,94.49 45.72,94.49 45.72,118.11 68.58,118.11 68.61,110.67 66.47,110.78 66.56,114.14 62.13,114.3 60.48,115.77 59.64,113.56 60.43,102.13 55.63,101.45 54.89,101.43 54.88,106.08 49.19,105.7
GND on Top: 95.02,94.49 91.44,94.49 91.44,118.11 114.3,118.11 114.33,110.67 112.19,110.78 112.28,114.14 107.85,114.3 106.2,115.77 105.36,113.56 106.15,102.13 101.35,101.45 100.61,101.43 100.59,106.08 94.91,105.7
GND on Top: 3.58,0 0,0 0,23.62 22.86,23.62 22.89,16.18 20.75,16.29 20.84,19.65 16.41,19.81 14.76,21.28 13.92,19.08 14.71,7.65 9.91,6.96 9.17,6.95 9.16,11.6 3.47,11.21
GND on Top: 72.16,94.49 68.58,94.49 68.58,118.11 91.44,118.11 91.47,110.67 89.33,110.78 89.42,114.14 84.99,114.3 83.34,115.77 82.5,113.56 83.29,102.13 78.49,101.45 77.75,101.43 77.74,106.08 72.05,105.7
GND on Top: 72.16,47.24 68.58,47.24 68.58,70.87 91.44,70.87 91.47,63.42 89.33,63.53 89.42,66.9 84.99,67.06 83.34,68.52 82.5,66.32 83.29,54.89 78.49,54.2 77.75,54.19 77.74,58.84 72.05,58.45
GND on Top: 49.3,23.62 45.72,23.62 45.72,47.24 68.58,47.24 68.61,39.8 66.47,39.91 66.56,43.28 62.13,43.43 60.48,44.9 59.64,42.7 60.43,31.27 55.63,30.58 54.89,30.57 54.88,35.22 49.19,34.83
GND on Top: 72.16,70.87 68.58,70.87 68.58,94.49 91.44,94.49 91.47,87.05 89.33,87.16 89.42,90.52 84.99,90.68 83.34,92.14 82.5,89.94 83.29,78.51 78.49,77.82 77.75,77.81 77.74,82.46 72.05,82.08
GND on Top: 26.44,47.24 22.86,47.24 22.86,70.87 45.72,70.87 45.75,63.42 43.61,63.53 43.7,66.9 39.27,67.06 37.62,68.52 36.78,66.32 37.57,54.89 32.77,54.2 32.03,54.19 32.02,58.84 26.33,58.45
GND on Top: 3.58,70.87 0,70.87 0,94.49 22.86,94.49 22.89,87.05 20.75,87.16 20.84,90.52 16.41,90.68 14.76,92.14 13.92,89.94 14.71,78.51 9.91,77.82 9.17,77.81 9.16,82.46 3.47,82.08
GND on Top: 95.02,0 91.44,0 91.44,23.62 114.3,23.62 114.33,16.18 112.19,16.29 112.28,19.65 107.85,19.81 106.2,21.28 105.36,19.08 106.15,7.65 101.35,6.96 100.61,6.95 100.59,11.6 94.91,11.21
GND on Top: 3.58,23.62 0,23.62 0,47.24 22.86,47.24 22.89,39.8 20.75,39.91 20.84,43.28 16.41,43.43 14.76,44.9 13.92,42.7 14.71,31.27 9.91,30.58 9.17,30.57 9.16,35.22 3.47,34.83
GND on Bottom: 22.86,0 0,0 0,23.62 22.86,23.62
GND on Bottom: 68.58,47.24 45.72,47.24 45.72,70.87 68.58,70.87
GND on Bottom: 68.58,94.49 45.72,94.49 45.72,118.11 68.58,118.11
GND on Bottom: 91.44,47.24 68.58,47.24 68.58,70.87 91.44,70.87
GND on Bottom: 45.72,0 22.86,0 22.86,23.62 45.72,23.62
GND on Bottom: 68.58,0 45.72,0 45.72,23.62 68.58,23.62
GND on Bottom: 91.44,0 68.58,0 68.58,23.62 91.44,23.62
GND on Bottom: 114.3,47.24 91.44,47.24 91.44,70.87 114.3,70.87
GND on Bottom: 22.86,47.24 0,47.24 0,70.87 22.86,70.87
GND on Bottom: 45.72,70.87 22.86,70.87 22.86,94.49 45.72,94.49
GND on Bottom: 114.3,70.87 91.44,70.87 91.44,94.49 114.3,94.49
GND on Bottom: 45.72,23.62 22.86,23.62 22.86,47.24 45.72,47.24
GND on Bottom: 45.72,47.24 22.86,47.24 22.86,70.87 45.72,70.87
GND on Bottom: 91.44,94.49 68.58,94.49 68.58,118.11 91.44,118.11
GND on Bottom: 114.3,0 91.44,0 91.44,23.62 114.3,23.62
GND on Bottom: 114.3,23.62 91.44,23.62 91.44,47.24 114.3,47.24
GND on Bottom: 68.58,70.87 45.72,70.87 45.72,94.49 68.58,94.49
GND on Bottom: 22.86,70.87 0,70.87 0,94.49 22.86,94.49
GND on Bottom: 22.86,23.62 0,23.62 0,47.24 22.86,47.24
GND on Bottom: 91.44,70.87 68.58,70.87 68.58,94.49 91.44,94.49
GND on Bottom: 91.44,23.62 68.58,23.62 68.58,47.24 91.44,47.24
GND on Bottom: 114.3,94.49 91.44,94.49 91.44,118.11 114.3,118.11
GND on Bottom: 22.86,94.49 0,94.49 0,118.11 22.86,118.11
GND on Bottom: 68.58,23.62 45.72,23.62 45.72,47.24 68.58,47.24
GND on Bottom: 45.72,94.49 22.86,94.49 22.86,118.11 45.72,118.11
VBUS on Top: 114.3,94.49 95.02,94.49 94.91,105.7 100.6,106.08 100.62,101.43 106.15,102.13 105.36,113.56 106.2,115.78 107.85,114.27 112.28,114.14 112.19,110.78 114.33,110.67
VBUS on Top: 91.44,94.49 72.16,94.49 72.05,105.7 77.74,106.08 77.76,101.43 83.29,102.13 82.5,113.56 83.34,115.78 84.99,114.27 89.42,114.14 89.33,110.78 91.47,110.67
VBUS on Top: 22.86,94.49 3.58,94.49 3.47,105.7 9.16,106.08 9.18,101.43 14.71,102.13 13.92,113.56 14.76,115.78 16.41,114.27 20.84,114.14 20.75,110.78 22.89,110.67
VBUS on Top: 68.58,23.62 49.3,23.62 49.19,34.83 54.88,35.22 54.9,30.57 60.43,31.27 59.64,42.7 60.48,44.91 62.13,43.41 66.56,43.28 66.47,39.91 68.61,39.8
VBUS on Top: 45.72,47.24 26.44,47.24 26.33,58.45 32.02,58.84 32.04,54.19 37.57,54.89 36.78,66.32 37.62,68.54 39.27,67.03 43.7,66.9 43.61,63.53 45.75,63.42
VBUS on Top: 114.3,70.87 95.02,70.87 94.91,82.08 100.6,82.46 100.62,77.81 106.15,78.51 105.36,89.94 106.2,92.16 107.85,90.65 112.28,90.52 112.19,87.16 114.33,87.05
VBUS on Top: 114.3,23.62 95.02,23.62 94.91,34.83 100.6,35.22 100.62,30.57 106.15,31.27 105.36,42.7 106.2,44.91 107.85,43.41 112.28,43.28 112.19,39.91 114.33,39.8
VBUS on Top: 91.44,0 72.16,0 72.05,11.21 77.74,11.6 77.76,6.95 83.29,7.65 82.5,19.08 83.34,21.29 84.99,19.79 89.42,19.65 89.33,16.29 91.47,16.18
VBUS on Top: 45.72,94.49 26.44,94.49 26.33,105.7 32.02,106.08 32.04,101.43 37.57,102.13 36.78,113.56 37.62,115.78 39.27,114.27 43.7,114.14 43.61,110.78 45.75,110.67
VBUS on Top: 114.3,47.24 95.02,47.24 94.91,58.45 100.6,58.84 100.62,54.19 106.15,54.89 105.36,66.32 106.2,68.54 107.85,67.03 112.28,66.9 112.19,63.53 114.33,63.42
VBUS on Top: 91.44,47.24 72.16,47.24 72.05,58.45 77.74,58.84 77.76,54.19 83.29,54.89 82.5,66.32 83.34,68.54 84.99,67.03 89.42,66.9 89.33,63.53 91.47,63.42
VBUS on Top: 22.86,47.24 3.58,47.24 3.47,58.45 9.16,58.84 9.18,54.19 14.71,54.89 13.92,66.32 14.76,68.54 16.41,67.03 20.84,66.9 20.75,63.53 22.89,63.42
VBUS on Top: 45.72,0 26.44,0 26.33,11.21 32.02,11.6 32.04,6.95 37.57,7.65 36.78,19.08 37.62,21.29 39.27,19.79 43.7,19.65 43.61,16.29 45.75,16.18
VBUS on Top: 22.86,0 3.58,0 3.47,11.21 9.16,11.6 9.18,6.95 14.71,7.65 13.92,19.08 14.76,21.29 16.41,19.79 20.84,19.65 20.75,16.29 22.89,16.18
VBUS on Top: 68.58,94.49 49.3,94.49 49.19,105.7 54.88,106.08 54.9,101.43 60.43,102.13 59.64,113.56 60.48,115.78 62.13,114.27 66.56,114.14 66.47,110.78 68.61,110.67
VBUS on Top: 68.58,70.87 49.3,70.87 49.19,82.08 54.88,82.46 54.9,77.81 60.43,78.51 59.64,89.94 60.48,92.16 62.13,90.65 66.56,90.52 66.47,87.16 68.61,87.05
VBUS on Top: 68.58,0 49.3,0 49.19,11.21 54.88,11.6 54.9,6.95 60.43,7.65 59.64,19.08 60.48,21.29 62.13,19.79 66.56,19.65 66.47,16.29 68.61,16.18
VBUS on Top: 68.58,47.24 49.3,47.24 49.19,58.45 54.88,58.84 54.9,54.19 60.43,54.89 59.64,66.32 60.48,68.54 62.13,67.03 66.56,66.9 66.47,63.53 68.61,63.42
VBUS on Top: 22.86,23.62 3.58,23.62 3.47,34.83 9.16,35.22 9.18,30.57 14.71,31.27 13.92,42.7 14.76,44.91 16.41,43.41 20.84,43.28 20.75,39.91 22.89,39.8
VBUS on Top: 45.72,23.62 26.44,23.62 26.33,34.83 32.02,35.22 32.04,30.57 37.57,31.27 36.78,42.7 37.62,44.91 39.27,43.41 43.7,43.28 43.61,39.91 45.75,39.8
VBUS on Top: 91.44,23.62 72.16,23.62 72.05,34.83 77.74,35.22 77.76,30.57 83.29,31.27 82.5,42.7 83.34,44.91 84.99,43.41 89.42,43.28 89.33,39.91 91.47,39.8
VBUS on Top: 22.86,70.87 3.58,70.87 3.47,82.08 9.16,82.46 9.18,77.81 14.71,78.51 13.92,89.94 14.76,92.16 16.41,90.65 20.84,90.52 20.75,87.16 22.89,87.05
VBUS on Top: 45.72,70.87 26.44,70.87 26.33,82.08 32.02,82.46 32.04,77.81 37.57,78.51 36.78,89.94 37.62,92.16 39.27,90.65 43.7,90.52 43.61,87.16 45.75,87.05
VBUS on Top: 91.44,70.87 72.16,70.87 72.05,82.08 77.74,82.46 77.76,77.81 83.29,78.51 82.5,89.94 83.34,92.16 84.99,90.65 89.42,90.52 89.33,87.16 91.47,87.05
VBUS on Top: 114.3,0 95.02,0 94.91,11.21 100.6,11.6 100.62,6.95 106.15,7.65 105.36,19.08 106.2,21.29 107.85,19.79 112.28,19.65 112.19,16.29 114.33,16.18

Small or netless copper shapes (teardrops, artwork), in the pictures only: 3175 on Top, 1800 on Bottom

## Text on the board
B.Silkscreen: SWCLK | SWDIO | GND | UART0 | UART1 | VBUS | DLM(4.7k) | Made by EsEhEhElp | PWM | UART-FSCB V0.3
Edge.Cuts: V-CUT
